# Altium PCB MB1605.PcbDoc (part 4 of 11)
Units mm, origin at the board's own origin, x right, y up, seen from the top; angles counter-clockwise.
Board outline 100 x 79.6 mm, 6 copper layers (Top Layer, Signal Layer 1, Signal Layer 2, Signal Layer 3, Signal Layer 4, Bottom Layer), stack 1.549 mm thick; 644 components, 529 nets, 2853 pads, 1462 vias.
Unrouted connection lines stored in the file: 2.
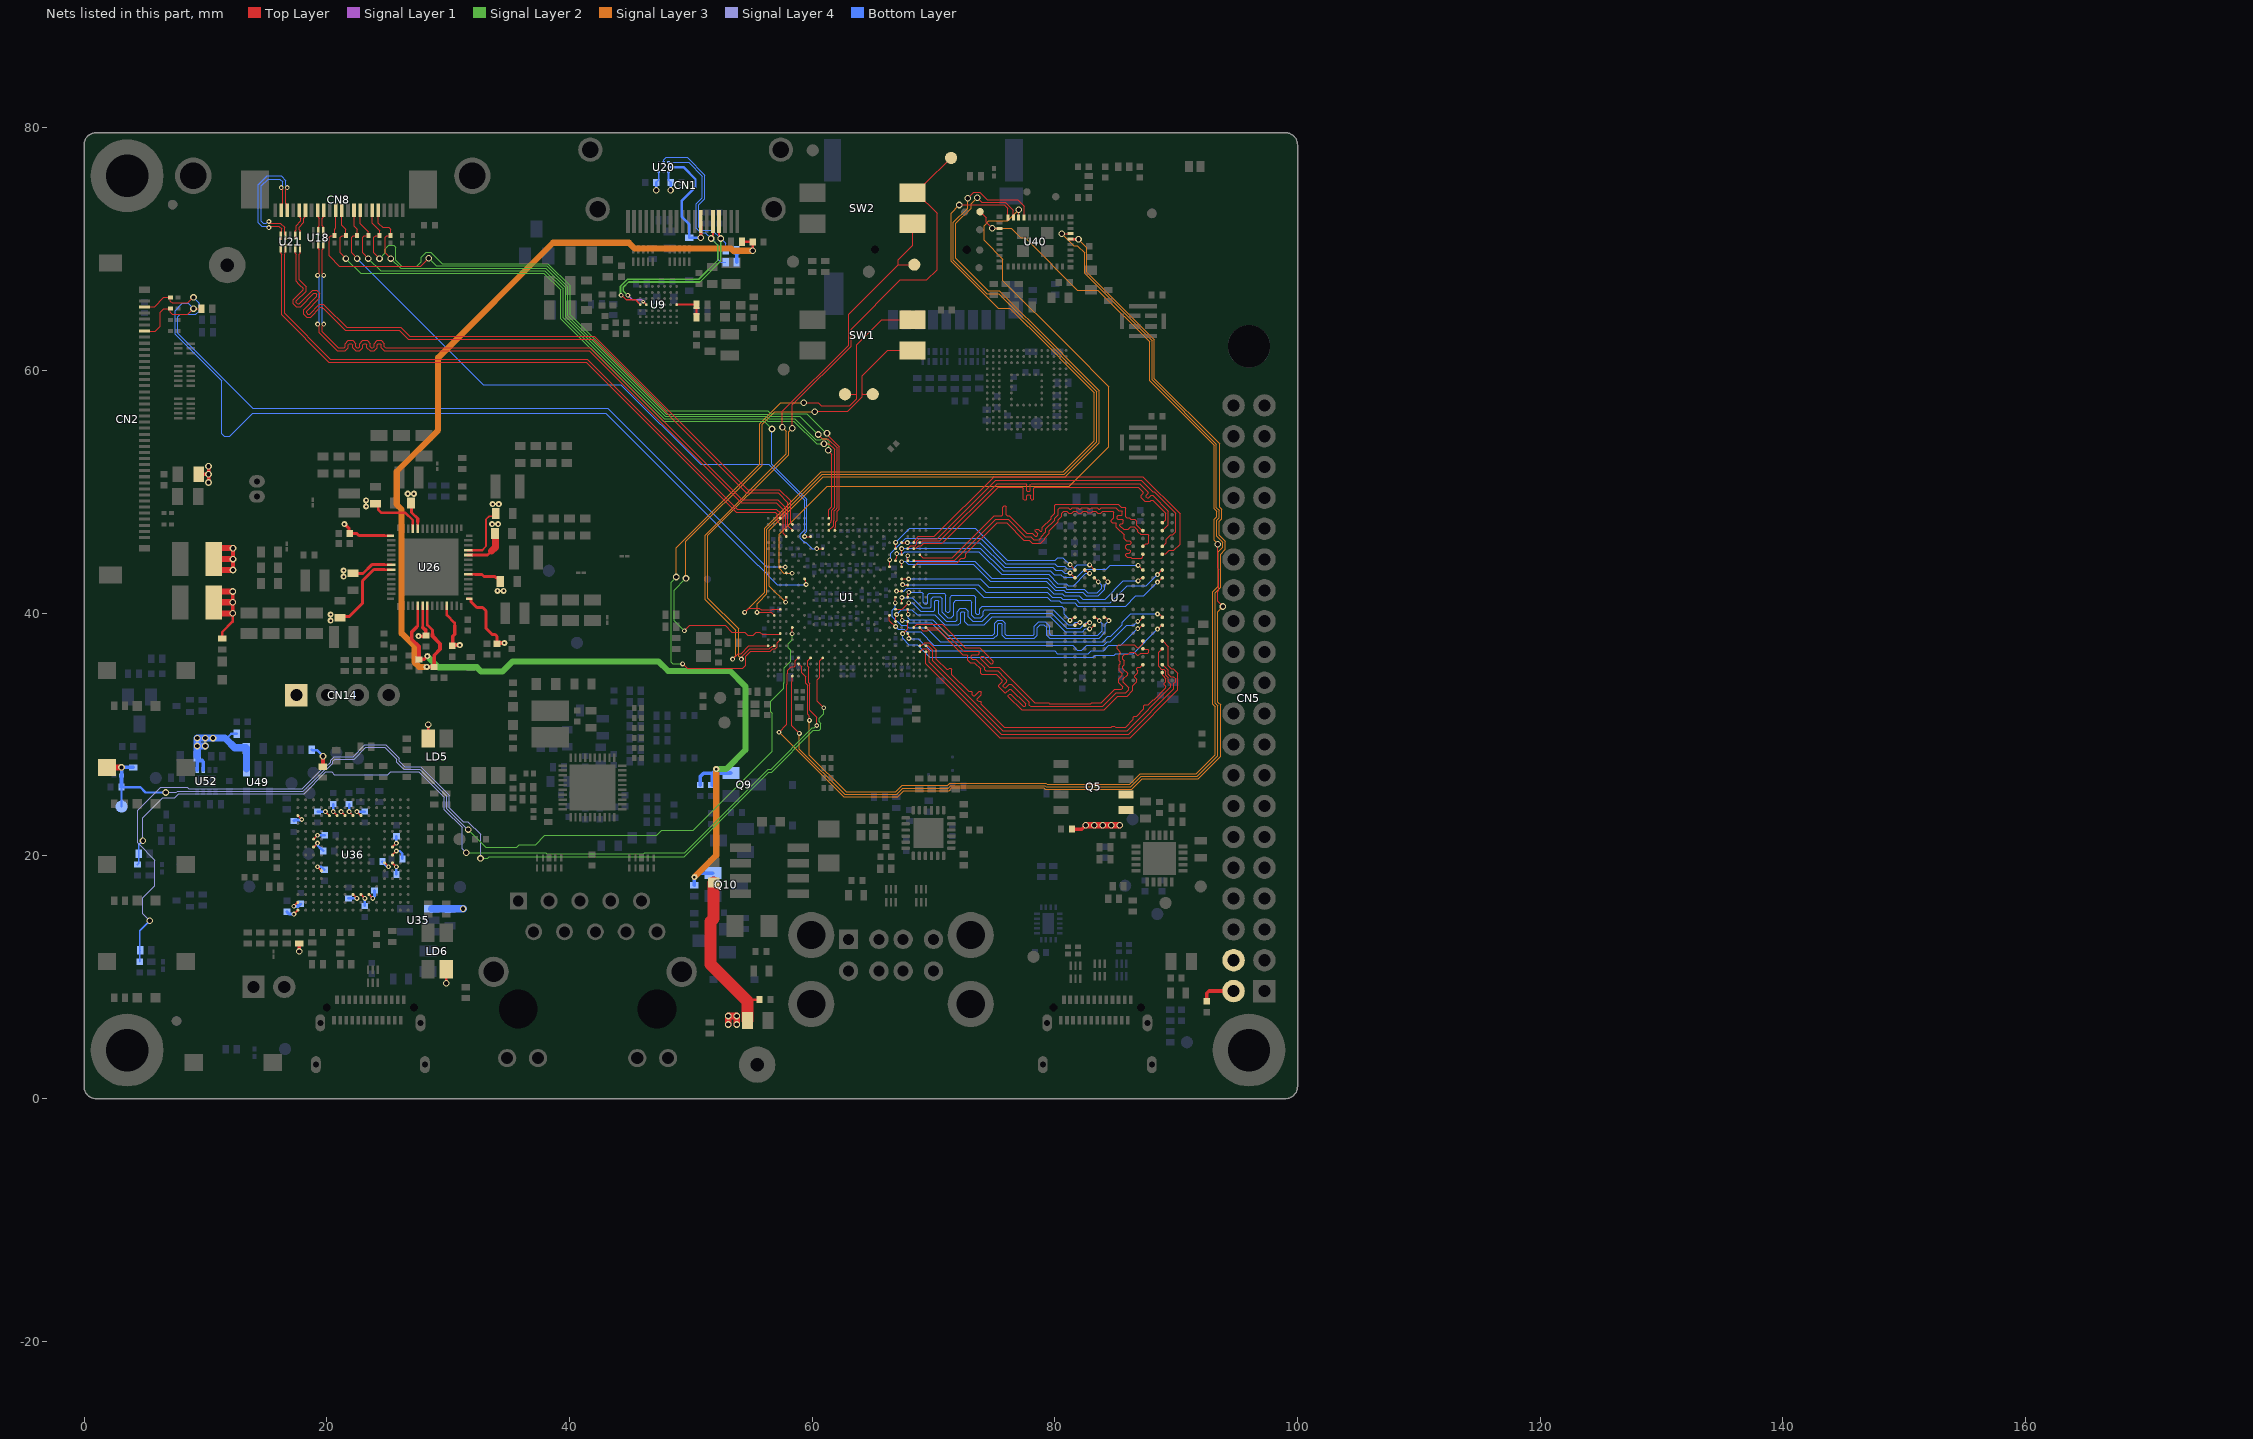
[diagram p8: the nets of this part, all layers, seen from the top]

## Via types
v1: diameter 0.55, hole 0.35, Top Layer to Bottom Layer, 823 vias
v2: diameter 0.4, hole 0.2, Top Layer to Bottom Layer, 235 vias
v3: diameter 0.4, hole 0.2, Top Layer to Bottom Layer, tented both sides, 216 vias
v4: diameter 0.5, hole 0.2, Top Layer to Bottom Layer, 159 vias
v5: diameter 0.25/0.3 (per signal layer), hole 0.1, Top Layer to Signal Layer 1, tented both sides, 29 vias

## Nets (pads, with @x,y where several pads share a name; then routed paths per layer and width w, separated by ;. In a path a pad name is that pad's centre, name@x,y a point inside that pad or via, vN(x,y) a via of type N, cw(c..) or ccw(c..) an arc to the next point about the centre after c; other vN are vias at no path point) (continued)
3V3_STLK: C129.2 C281.1 C282.1 C289.1 C290.1 C297.1 C298.1 C299.1 C303.1 C310.1 C311.1 C324.1 C325.1 C326.1 C327.1 C328.1 C329.1 C333.1 CN14.1 LD5.4 LD6.4 R156.2 R227.1 U35.1 U36.C1 U36.C5 U36.C6 U36.C7 U36.C8 U36.C9 U36.F3 U36.G3 U36.G13 U36.H13 U36.J12 U36.J13 U36.K4 U36.N8 U36.N9 U36.N10 U36.P1 U36.R1 | length 26.9
  Top Layer w0.15: v3(17.29,15.207) U36.R1@17.615,15.532 ; v3(17.29,15.857) U36.P1@17.615,16.182 ; U36.C1@17.615,23.332 v3(17.94,23.007) ; U36.G3@18.915,20.732 v3(19.24,21.057) ; U36.F3@18.915,21.382 v3(19.24,21.707) ; v3(19.24,19.107) U36.K4@19.565,18.782 ; v3(19.89,23.657) U36.C5@20.215,23.332 ; v3(20.54,23.657) U36.C6@20.865,23.332 ; v3(21.19,23.657) U36.C7@21.515,23.332 ; v3(21.84,23.657) U36.C8@22.165,23.332 ; U36.N8@22.165,16.832 v3(22.49,16.507) ; v3(22.49,23.657) U36.C9@22.815,23.332 ; U36.N9@22.815,16.832 v3(23.14,16.507) ; U36.N10@23.465,16.832 v3(23.79,16.507) ; U36.J12@24.765,19.432 v3(25.09,19.107) ; U36.J13@25.415,19.432 v3(25.74,19.107) ; U36.H13@25.415,20.082 v3(25.74,20.407) ; U36.G13@25.415,20.732 v3(25.74,21.057)
  Top Layer w0.2: LD5.4@28.358,29.675 v1(28.358,30.825) ; v1(29.85,9.519) LD6.4@29.85,10.669
  Top Layer w0.3: R156.2@19.69,27.357 19.69,28.215 v1(19.7,28.225)
  Bottom Layer w0.2: R227.1@18.765,28.75 18.792,28.722 19.203,28.722 v1(19.7,28.225) ; v3(19.24,19.107) 19.565,19.107 C299.1@19.815,18.857 ; v3(19.24,21.057) 19.278,21.019 19.278,20.844 19.535,20.587 19.56,20.587 19.715,20.432 C298.1@19.715,20.407 ; v3(19.24,21.707) C310.1@19.84,21.707 ; C289.1@19.24,23.657 v3(19.89,23.657) ; v3(20.54,23.657) C282.1@20.54,24.282 ; C326.1@21.79,16.507 v3(22.49,16.507) ; v3(21.84,23.657) C297.1@21.84,24.282 ; v3(22.49,23.657) C290.1@23.14,23.657 ; C325.1@23.14,15.882 v3(23.14,16.507) ; C329.1@24.59,19.532 24.59,19.507 24.745,19.352 24.77,19.352 24.977,19.145 25.052,19.145 v3(25.09,19.107) ; C303.1@25.74,18.482 v3(25.74,19.107) ; v3(25.74,20.407) 26.02,20.407 26.24,20.187 C328.1@26.24,19.757 ; v3(25.74,21.057) C311.1@25.74,21.632
  Bottom Layer w0.25: C327.1@16.715,15.407 16.915,15.207 v3(17.29,15.207) ; v3(17.29,15.857) 17.665,15.857 C281.1@17.865,16.057 ; C324.1@17.29,22.875 17.367,22.952 17.844,22.952 17.899,23.007 v3(17.94,23.007) ; v3(23.79,16.507) 23.945,16.662 C333.1@23.945,17.157
  Bottom Layer w0.6: U35.1@28.646,15.65 C129.2@30.17,15.65 v1(31.239,15.65)
5V_HDMI: C91.1 C179.2 R20.1 R21.2 R22.2 U26.7 | length 68.5
  Top Layer w0.2: R20.1@54.226,70.6 C179.2@55.103,70.6 ; v1(55.103,69.873) C179.2@55.103,70.6
  Top Layer w0.21: U26.7@28.3,40.63 28.3,39.025 28.715,38.61 28.715,38.253
  Top Layer w0.3: v4(28.24,35.58) C91.1@28.85,35.58 ; 28.715,38.253 28.715,38.118 29.335,37.498 29.335,37.035 28.85,36.55 C91.1@28.85,35.73
  Signal Layer 3 w0.5: v4(28.24,35.58) 27.619,35.58 27.223,35.976 27.223,37.302 26.175,38.35 26.175,48.553 25.769,48.959 25.769,51.68 29.175,55.086 29.175,61.065 38.645,70.534 44.893,70.534 45.378,70.049 53.326,70.049 53.502,69.873 v1(55.103,69.873)
  Bottom Layer w0.3: R22.2@53.776,68.92 R21.2@53.776,69.903 54.424,69.903 54.454,69.873 v1(55.103,69.873)
5V_STLK: C29.2 C30.2 C32.2 C38.2 C39.2 C42.1 C56.2 C94.2 C143.2 C146.2 C147.1 C165.2 C169.2 C180.2 C181.2 C184.2 C188.2 C199.2 C209.2 C213.2 C233.2 CN5.2 CN5.4 L12.1 Q5.5 Q5.6 R4.2 R210.1 R216.2 R230.1 U20.A1 U20.C1 U26.6 U26.11 U26.15 U26.20 U26.24 U26.25 U26.38 U26.39 U26.43 U26.49 U26.50 U49.1 U52.5 U52.6 | length 101.6
  Top Layer w0.15: 32.8,45.2 33.125,45.525 33.125,47.731 33.388,47.994 33.819,47.994 C32.2@33.925,48.1
  Top Layer w0.2: R210.1@11.386,37.915 11.386,38.449 12.244,39.307 v1@12.244,39.994 ; 54.67,8.389 54.899,8.16 C146.2@55.659,8.16
  Top Layer w0.21: C29.2@24.025,49.05 24.262,48.813 24.262,48.513 24.475,48.3 26.464,48.3 27.1,47.664 U26.39@27.1,46.97 ; 24.775,43.6 U26.50@25.33,43.6 ; 24.775,44 U26.49@25.33,44 ; 24.775,46.4 U26.43@25.33,46.4 ; U26.38@27.5,46.97 27.5,47.525 ; 27.9,38.85 U26.6@27.9,40.63 ; U26.11@29.9,40.63 29.9,39.843 30.54,39.203 30.54,38.975 ; U26.15@31.67,41.2 U26.15@31.745,41.2 U26.15@31.785,41.2 ; U26.20@31.67,43.2 32.225,43.2 ; U26.24@31.67,44.8 32.225,44.8 ; U26.25@31.67,45.2 32.8,45.2
  Top Layer w0.25: C56.2@21.1,39.75 21.875,39.75 22.95,40.825 22.95,42.669 23.881,43.6 24.775,43.6 ; 21.695,47.125 21.699,47.125 21.845,46.979 21.845,46.685 C39.2@21.955,46.575 ; C39.2@22.005,46.575 22.475,46.575 22.65,46.4 24.775,46.4 ; C199.2@22.175,43.275 22.991,43.275 23.716,44 24.775,44 ; C30.2@26.925,49.075 26.994,49.006 26.994,48.308 27.5,47.802 27.5,47.525 ; 31.895,41.095 31.895,40.947 32.371,40.472 32.853,40.472 33.125,40.2 33.125,38.759 33.634,38.25 33.879,38.25 34.025,38.104 C188.2@34.025,37.55 ; 32.225,43.2 32.788,43.2 32.963,43.025 33.847,43.025 33.972,42.9 34.05,42.9 34.247,42.703 C184.2@34.247,42.625 ; 32.225,44.8 33.25,44.8 33.575,45.125
  Top Layer w0.3: R4.2@9.464,51.449 v1(10.264,51.449) ; v1(10.264,50.774) v1(10.264,51.449) ; v1(10.264,52.124) v1(10.264,51.449) ; v1(12.25,40) v1(12.25,40.9) v1(12.25,41.8) ; v1(12.275,43.563) v1(12.275,44.463) v1(12.275,45.363) ; v1(17.74,12.137) R216.2@17.74,12.782 ; v4@21.444,47.376 21.695,47.125 ; v4(27.565,38.11) 28.175,38.11 28.174,38.111 28.174,38.576 27.9,38.85 ; C209.2@30.35,37.38 C209.2@30.375,37.38 ; 30.54,38.975 30.54,38.269 30.375,38.104 C209.2@30.375,37.38 ; v4(30.96,37.38) C209.2@30.375,37.38 ; C188.2@34.025,37.55 v4(34.635,37.55) ; C94.2@81.42,22.212 82.218,22.212 v1(82.545,22.539) ; C233.2@92.524,8.02 92.524,8.679 92.715,8.87 CN5.2@94.73,8.87
  Top Layer w0.5: C147.1@10.686,39.994 v1@12.269,39.994 ; C147.1@10.686,40.906 v1@12.269,40.906 ; C147.1@10.686,41.806 v1@12.269,41.806 ; C42.1@10.686,43.557 v1@12.269,43.557 ; C42.1@10.686,44.468 v1@12.269,44.468 ; C42.1@10.686,45.368 v1@12.269,45.368
  Top Layer w0.55: v1(53.095,6.106) v1(53.095,6.806) v1(53.795,6.806) v1(53.795,6.106) ; v1(82.545,22.539) v1(83.245,22.539) v1(83.945,22.539) v1(84.645,22.539) v1(85.345,22.539)
  Top Layer w0.6: 33.575,45.125 33.9,45.45 C38.2@33.9,46.175
  Top Layer w1: L12.1@51.875,17.813 51.875,14.837 51.625,14.587 51.625,11.075 54.67,8.03 C143.2@54.67,6.456
  Bottom Layer w0.15: C180.2@47.152,75.504 47.364,75.716 U20.C1@47.364,76.369 ; U20.A1@48.164,76.369 48.164,75.683 C181.2@48.343,75.504
  Bottom Layer w0.2: 11.695,29.641 12.129,30.075 R230.1@12.592,30.075 ; v1@47.152,74.854 C180.2@47.152,75.504 ; v1@48.343,74.854 C181.2@48.343,75.504
  Bottom Layer w0.3: U52.5@9.336,27.077 C169.2@9.336,28.092 ; C169.2@9.336,28.217 C169.2@9.336,28.092 ; U52.6@9.836,27.077 9.836,27.755 9.719,27.872 9.556,27.872 C169.2@9.336,28.092
  Bottom Layer w0.6: C169.2@9.336,28.217 v1(9.336,29.068) ; v1(9.981,29.068) v1(9.336,29.068) ; C165.2@13.362,28.848 13.362,28.904 13.342,28.924 12.412,28.924 11.695,29.641 11.623,29.713 v1(9.336,29.713) v1(9.336,29.068) ; U49.1@13.381,27.193 C165.2@13.381,28.829
  other v1: 9.981,29.713 10.626,29.713 47.147,74.849 48.338,74.849
  other v4: 20.325,39.4 20.325,39.9 34.075,41.85 34.575,41.85 21.4,43.025 21.4,43.525 21.45,47.348 33.625,47.35 34.125,47.35 23.25,48.8 33.675,49 34.175,49 23.25,49.3 26.675,49.85 27.175,49.85
5V_VCONN: C105.1 C214.1 Q9.2 Q10.2 R8.2 R12.2 U26.5 | length 58.5
  Top Layer w0.21: 27.378,38.827 27.5,38.95 U26.5@27.5,40.63
  Top Layer w0.3: 27.378,38.827 27.01,38.46 27.01,37.865 27.6,37.275 C214.1@27.6,36.2 28.04,36.2 v4(28.3,36.46)
  Signal Layer 2 w0.5: v4(28.3,36.46) 29.21,35.55 32.366,35.55 32.726,35.19 34.474,35.19 35.325,36.041 47.336,36.041 48.124,35.253 53.229,35.253 54.504,33.979 54.504,28.734 52.92,27.15 v4(52.1,27.15)
  Signal Layer 3 w0.5: v4(50.3,18.25) 52.1,20.05 v4(52.1,27.15)
  Bottom Layer w0.3: R12.2@50.297,17.588 50.298,17.589 50.298,18.248 v4(50.3,18.25) 50.638,18.588 Q10.2@51.822,18.588 ; C105.1@50.775,25.85 50.775,26.546 51.054,26.825 51.775,26.825 ; R8.2@51.775,25.838 51.775,26.825 ; Q9.2@53.3,26.838 52.412,26.838 v4(52.1,27.15) 51.775,26.825
BOOT0: SW1.1 TP15.1 U1.Y3 | length 45.8
  Top Layer w0.09: 56.114,38.255 57.267,38.255 57.337,38.325 U1.Y3@57.375,38.325
  Top Layer w0.1: v2(49.475,38.554) 49.913,38.992 50.642,38.992 50.644,38.994 52.847,38.994 53.391,38.45 54.448,38.45 54.704,38.194 55.16,38.194 55.402,38.435 55.695,38.435 55.875,38.255 56.114,38.255 ; v1(60.212,56.607) 60.255,56.65 62.925,56.65 64.136,57.861 64.136,58.075 ; TP15.1@64.995,58.058 64.153,58.058 64.136,58.075 ; SW1.1@68.275,61.655 66.236,61.655 64.136,59.555 64.136,58.075
  Signal Layer 2 w0.1: v2(49.475,38.554) 48.627,39.402 48.627,41.902 v1(49.6,42.875)
  Signal Layer 3 w0.1: v1(49.6,42.875) 49.6,45.92 55.875,52.196 55.875,55.557 56.925,56.607 v1(60.212,56.607)
BOOT1: SW1.2 TP16.1 U1.AA3 | length 53.4
  Top Layer w0.09: 55.625,36.869 56.566,36.869 56.771,37.075 56.979,37.075 57.125,37.221 57.125,37.575 U1.AA3@57.375,37.825
  Top Layer w0.1: v2(49.325,35.825) 49.692,35.458 54.29,35.458 54.527,35.695 54.527,36.453 54.943,36.869 55.625,36.869 ; v1(59.305,57.346) 60.498,57.346 60.735,57.11 63.116,57.11 63.67,57.664 63.67,58.04 ; TP16.1@62.711,58.047 63.664,58.047 63.67,58.04 ; SW1.2@68.275,64.195 65.743,64.195 63.67,62.122 63.67,58.04
  Signal Layer 2 w0.1: v1(48.805,42.984) 48.375,42.555 48.375,35.98 48.53,35.825 v2(49.325,35.825)
  Signal Layer 3 w0.1: v1(48.805,42.984) 48.805,45.394 55.685,52.274 55.685,55.636 57.396,57.346 v1(59.305,57.346)
BOOT2: SW2.1 TP25.1 U1.AB1 | length 49.1
  Top Layer w0.1: v2(53.45,36.225) 53.9,36.675 54.139,36.675 54.789,37.325 U1.AB1@56.375,37.325 ; v1(57.55,55.325) 57.55,56.627 63.02,62.097 63.02,64.654 67.09,68.725 ; SW2.1@68.275,72.105 68.275,70.322 67.09,69.137 67.09,68.725 ; TP25.1@68.425,68.725 67.09,68.725
  Signal Layer 3 w0.1: v2(53.45,36.225) 53.705,36.48 53.705,38.592 51.172,41.125 51.172,46.448 57.88,53.155 57.88,54.995 v1(57.55,55.325)
BOOT3: SW2.2 TP32.1 U1.AB2 | length 57
  Top Layer w0.09: 55.625,37.075 56.479,37.075 56.702,37.298 56.848,37.298 U1.AB2@56.875,37.325
  Top Layer w0.1: v2(54.175,36.225) 54.175,36.384 54.866,37.075 55.625,37.075 ; v1(58.361,55.242) 58.361,57.169 63.21,62.018 63.21,63.402 67.279,67.47 69.439,67.47 70.294,68.325 70.294,72.951 SW2.2@68.6,74.645 ; SW2.2@68.275,74.645 SW2.2@68.6,74.645 ; TP32.1@71.45,77.525 69.3,75.375 69.3,75.345 SW2.2@68.6,74.645
  Signal Layer 3 w0.1: v2(54.175,36.225) 53.935,36.465 53.935,38.729 51.419,41.246 51.419,46.426 58.07,53.077 58.07,54.952 v1(58.361,55.242)
BT_DEV_WAKE: U1.AE6 U40.39 | length 93.9
  Top Layer w0.09: U1.AE6@58.875,35.825 59.125,35.575 59.125,35.104
  Top Layer w0.1: 59.125,35.104 59.454,34.775 59.454,34.234 59.623,34.064 59.623,31.68 59.778,31.525 59.778,31.178 v2(59.781,31.175) ; v1(80.575,71.275) U40.39@81.3,71.275
  Signal Layer 3 w0.1: v2(59.781,31.175) 59.781,28.304 62.808,25.276 66.878,25.276 67.415,25.813 71.169,25.813 71.359,26.003 79.259,26.003 79.357,25.904 86.174,25.904 87.045,26.775 91.658,26.775 93.235,28.352 93.235,32.314 93.03,32.52 93.03,41.786 93.455,42.211 93.455,45.058 93.855,45.457 93.855,45.853 93.35,46.357 93.35,47.664 93.543,47.857 93.543,48.474 93.318,48.699 93.318,53.929 88.008,59.239 88.008,62.443 82.45,68 82.45,69.7 81.85,70.3 81.551,70.3 v1(80.575,71.275)
BT_HOST_WAKE: U1.AG5 U40.38 | length 92.5
  Top Layer w0.1: U1.AG5@58.375,34.825 58.375,34.404 58.325,34.354 58.325,33.533 58.325,30.725 v2(58.95,30.1)
  Top Layer w0.2: U40.38@81.3,70.825 v1(81.95,70.825)
  Signal Layer 3 w0.1: v2(58.95,30.1) 58.95,28.799 62.673,25.076 66.961,25.076 67.46,25.575 71.215,25.575 71.442,25.803 79.176,25.803 79.274,25.704 86.257,25.704 87.128,26.575 91.741,26.575 93.435,28.269 93.435,32.397 93.23,32.603 93.23,41.703 93.655,42.128 93.655,44.875 94.055,45.275 94.055,45.936 93.55,46.44 93.55,47.581 93.743,47.774 93.743,48.557 93.572,48.728 93.572,53.958 88.208,59.322 88.208,62.526 82.65,68.083 82.65,70.125 v1(81.95,70.825)
BT_PCM_CLK: U1.T3 U40.11 | length 71
  Top Layer w0.09: 55.625,40.42 55.648,40.42 55.793,40.275 56.68,40.275 56.73,40.325 U1.T3@57.375,40.325
  Top Layer w0.1: v2(54.436,40.077) 54.779,40.42 55.625,40.42 ; v1(72.125,73.65) 75.848,73.65 76.125,73.373 U40.11@76.125,72.625
  Signal Layer 3 w0.1: v2(54.436,40.077) 56.089,41.729 56.089,46.998 57.666,48.575 60.741,51.65 80.699,51.65 83.25,54.201 83.25,58.175 81.346,60.079 79.316,62.109 76.3,65.125 75.34,65.125 71.445,69.02 71.445,72.97 v1(72.125,73.65)
BT_PCM_SDI: U1.P4 U40.10 | length 67.4
  Top Layer w0.1: v3(57.819,40.906) 57.869,41.277 U1.P4@57.875,41.325 ; v1(73.6,74.25) 73.975,73.875 75.906,73.875 76.575,73.206 U40.10@76.575,72.625
  Signal Layer 3 w0.1: v3(57.819,40.906) 56.479,42.246 56.479,46.822 58.232,48.575 60.907,51.25 80.864,51.25 83.65,54.036 83.65,58.35 81.346,60.654 79.891,62.109 75.425,66.575 74.531,66.575 71.845,69.261 71.845,72.124 73.1,73.379 73.1,73.75 v1(73.6,74.25)
BT_PCM_SDO: U1.K4 U40.9 | length 61.2
  Top Layer w0.1: U1.K4@57.875,43.325 v3(58.348,43.3) ; U40.9@77.025,72.625 v1(77.025,73.25)
  Signal Layer 3 w0.1: v3(58.348,43.3) 57.675,43.3 57.279,43.697 57.279,46.49 59.363,48.575 61.238,50.45 81.196,50.45 84.45,53.704 84.45,58.681 81.346,61.785 81.023,62.109 75.719,67.413 75.719,69.182 74.175,70.726 74.175,71.951 74.574,72.35 76.125,72.35 v1(77.025,73.25)
BT_PCM_WS: U1.U2 U40.8 | length 71.1
  Top Layer w0.09: v2@55.625,40.075 56.625,40.075 U1.U2@56.875,39.825
  Top Layer w0.1: v2(55.458,40.07) 55.463,40.075 v2@55.625,40.075 ; v1(72.825,74.2) 73.3,74.675 73.825,74.675 74.425,74.075 76.955,74.075 77.475,73.555 U40.8@77.475,72.625
  Signal Layer 3 w0.1: v2(55.458,40.07) 55.458,40.792 55.625,40.958 56.279,41.612 56.279,46.905 57.949,48.575 60.824,51.45 80.781,51.45 83.45,54.119 83.45,58.267 81.346,60.371 79.608,62.109 75.367,66.35 74.398,66.35 71.645,69.103 71.645,72.207 72.825,73.387 v1(72.825,74.2)
BT_REG_ON: TP19.1 U1.AD6 U40.14 | length 103.4
  Top Layer w0.09: 57.925,34.075 57.925,34.16 57.945,34.18 57.945,35.003 57.985,35.043 57.985,35.289 58.271,35.575 58.525,35.575 58.625,35.675 58.625,36.075 U1.AD6@58.875,36.325
  Top Layer w0.1: v2(57.271,30.195) 57.925,30.848 57.925,34.075 ; TP19.1@73.844,73.087 74.355,72.576 74.355,72.22 v1(74.85,71.725) U40.14@75.45,71.725 ; v1(93.43,45.677) 93.43,43.707 93.501,43.635 93.501,41.873 93.43,41.801 93.43,40.983 v1(93.85,40.562)
  Signal Layer 2 w0.1: v1(93.43,45.677) v1@93.43,45.739
  Signal Layer 3 w0.1: v2(57.271,30.195) 62.59,24.876 67.044,24.876 67.543,25.375 71.297,25.375 71.525,25.603 79.093,25.603 79.191,25.504 86.34,25.504 87.21,26.375 91.824,26.375 93.655,28.206 93.655,32.46 93.43,32.685 93.43,40.142 v1(93.85,40.562) ; v1(74.85,71.725) 76.401,71.725 76.95,71.176 76.95,71.174 77.199,70.925 77.55,70.925 81.84,66.634 83.533,66.634 87.808,62.36 87.808,59.156 93.118,53.846 93.118,48.616 93.343,48.391 93.343,47.939 93.15,47.747 93.15,45.998 93.43,45.719 v1(93.43,45.677)
BUTTON.TAMP: B3.1 C163.2 R139.1 TP6.1 U1.W5 U28.1 | length 79.4
  Top Layer w0.09: v3(58.349,38.315) 58.375,38.341 U1.W5@58.375,38.825
  Top Layer w0.5: B3.1@1.886,27.3 v1(3.095,27.3)
  Signal Layer 2 w0.1: v1(31.672,22.174) 33.109,20.737 35.646,20.737 35.846,20.937 37.214,20.937 37.977,21.7 47.184,21.7 47.609,22.125 50.22,22.125 56.721,28.626 56.721,31.773 56.606,31.888 56.606,32.744 57.675,33.813 57.675,34.075 57.675,34.272 57.685,34.282 57.685,35.49 58.225,36.03 58.225,36.97 58.025,37.17 58.025,37.495 58.349,37.819 v3(58.349,38.315)
  Signal Layer 4 w0.1: v1(6.742,25.232) 7.6,25.232 7.71,25.342 18.066,25.342 19.901,27.177 20.032,27.177 20.515,27.66 20.515,27.791 20.703,27.98 22.262,27.98 23.232,28.95 24.768,28.95 25.765,27.952 25.765,27.74 26.355,27.15 27.303,27.15 27.655,27.15 29.9,24.905 29.9,24.553 29.9,23.908 31.635,22.174 v1(31.672,22.174)
  Bottom Layer w0.15: TP6.1@3.095,24.07 C163.2@3.095,25.66
  Bottom Layer w0.2: C163.2@3.083,25.673 4.637,25.673 5.078,25.232 v1(6.742,25.232)
  Bottom Layer w0.3: C163.2@3.095,25.66 C163.2@3.083,25.673 U28.1@3.083,26.627 3.095,26.639 v1(3.095,27.3) R139.1@4.056,27.3
BUTTON.USER1: C162.2 R127.1 U1.AD10 | length 89.4
  Top Layer w0.09: 60.473,34.569 60.625,34.721 60.625,36.075 U1.AD10@60.875,36.325
  Top Layer w0.1: 60.473,34.569 60.423,34.52 60.423,32.746 v2(60.96,32.21)
  Signal Layer 2 w0.1: v1(32.675,19.8) 33.261,19.8 33.398,19.937 49.447,19.937 56.422,26.912 56.669,26.912 60.106,30.35 60.575,30.35 60.725,30.5 60.725,30.915 60.575,31.065 60.575,31.345 60.96,31.73 v2(60.96,32.21)
  Signal Layer 4 w0.1: v1(5.413,14.669) 4.85,15.231 4.85,16.561 5.838,17.549 5.838,19.663 4.425,21.076 4.425,23.762 6.336,25.673 8.506,25.673 8.627,25.552 17.993,25.552 19.818,27.377 19.949,27.377 20.315,27.743 20.315,27.874 20.621,28.18 22.179,28.18 23.149,29.15 24.85,29.15 25.965,28.035 25.965,27.823 26.438,27.35 27.385,27.35 27.737,27.35 30.1,24.987 30.1,24.635 30.1,23.991 31.265,22.826 31.621,22.826 32.675,21.772 v1(32.675,19.8)
  Bottom Layer w0.15: C162.2@4.592,11.287 R127.1@4.592,12.197 ; R127.1@4.632,12.237 R127.1@4.592,12.197 ; v1(5.413,14.669) 4.592,13.848 R127.1@4.592,12.197
BUTTON.USER2: C161.2 R126.1 U1.AD8 | length 76.1
  Top Layer w0.09: 59.625,35.629 59.625,36.075 U1.AD8@59.875,36.325
  Top Layer w0.1: 59.625,35.629 59.729,35.525 59.729,34.27 59.823,34.176 59.823,32.01 60.395,31.439 60.395,30.77 v2(60.375,30.75)
  Signal Layer 2 w0.1: v1(31.5,20.275) 38.048,20.275 38.149,20.174 46.121,20.174 46.222,20.275 49.502,20.275 56.377,27.15 56.623,27.15 60.023,30.55 60.166,30.55 60.366,30.75 v2(60.375,30.75)
  Signal Layer 4 w0.1: v1(4.85,21.252) 4.85,23.157 6.5,24.807 7.457,24.807 7.793,25.142 18.149,25.142 19.931,26.925 20.396,26.925 20.614,26.707 25.041,26.707 25.284,26.95 27.572,26.95 29.7,24.822 29.7,23.825 31.172,22.353 31.172,20.603 v1(31.5,20.275)
  Bottom Layer w0.15: C161.2@4.406,19.3 4.513,19.406 R126.1@4.513,20.187 4.513,20.915 v1(4.85,21.252)
CAM.EN: CN8.18 U1.A11 U33.1 | length 55.7
  Top Layer w0.1: CN8.18@24.25,73.222 24.25,72.158 24.604,71.804 25.129,71.804 25.275,71.658 U33.1@25.275,71.126 24.959,71.126 24.817,70.984 24.817,69.688 v1(25.28,69.226) ; v1(61.325,53.425) 61.637,53.113 61.637,48.792 61.375,48.53 U1.A11@61.375,47.825
  Signal Layer 2 w0.1: v1(25.28,69.226) 26.089,68.416 38.068,68.416 39.677,66.807 39.677,64.427 47.889,56.215 56.232,56.215 56.416,56.031 58.568,56.031 60.299,54.3 60.699,54.3 60.799,54.4 61.151,54.4 61.4,54.151 61.4,53.799 61.377,53.776 61.377,53.477 v1(61.325,53.425)
CAM.IMU_INT1: CN8.14 U1.F10 U31.1 | length 55.3
  Top Layer w0.1: CN8.14@22.25,73.222 22.25,71.908 22.5,71.658 U31.1@22.5,71.126 22.184,71.126 22.042,70.984 22.042,69.688 v1(22.505,69.226) ; v3(60.375,45.325) U1.F10@60.875,45.325
  Bottom Layer w0.1: v1(22.505,69.226) 32.885,58.845 44.234,58.845 50.806,52.273 56.407,52.273 59.375,49.305 59.375,48.575 59.375,46.875 59.025,46.525 59.025,46.18 59.355,45.85 59.478,45.85 60.003,45.325 v3(60.375,45.325)
CAM.IMU_INT2: CN8.15 U1.B11 U14.1 | length 57.6
  Top Layer w0.09: U1.B11@61.375,47.325 61.585,47.535 61.585,47.681 61.625,47.721 61.625,48.504 61.85,48.729 61.85,48.875
  Top Layer w0.1: CN8.15@22.75,73.222 22.75,72.095 23.425,71.42 U14.1@23.425,71.126 23.109,71.126 22.967,70.984 22.967,69.688 v1(23.43,69.226) ; v1(60.975,53.975) 60.988,53.962 61.389,53.962 61.85,53.501 61.85,48.875